# Altium PCB 4S SMART BMS İsmet Akalın.PcbDoc (part 2 of 2)
Units mm, origin at the board's own origin, x right, y up, seen from the top; angles counter-clockwise.
Board outline 88.9 x 58.42 mm, 4 copper layers (Top Layer, GND, PWR, Bottom Layer), stack 1.509 mm thick; 123 components, 76 nets, 450 pads, 260 vias.
Unrouted connection lines stored in the file: 5.
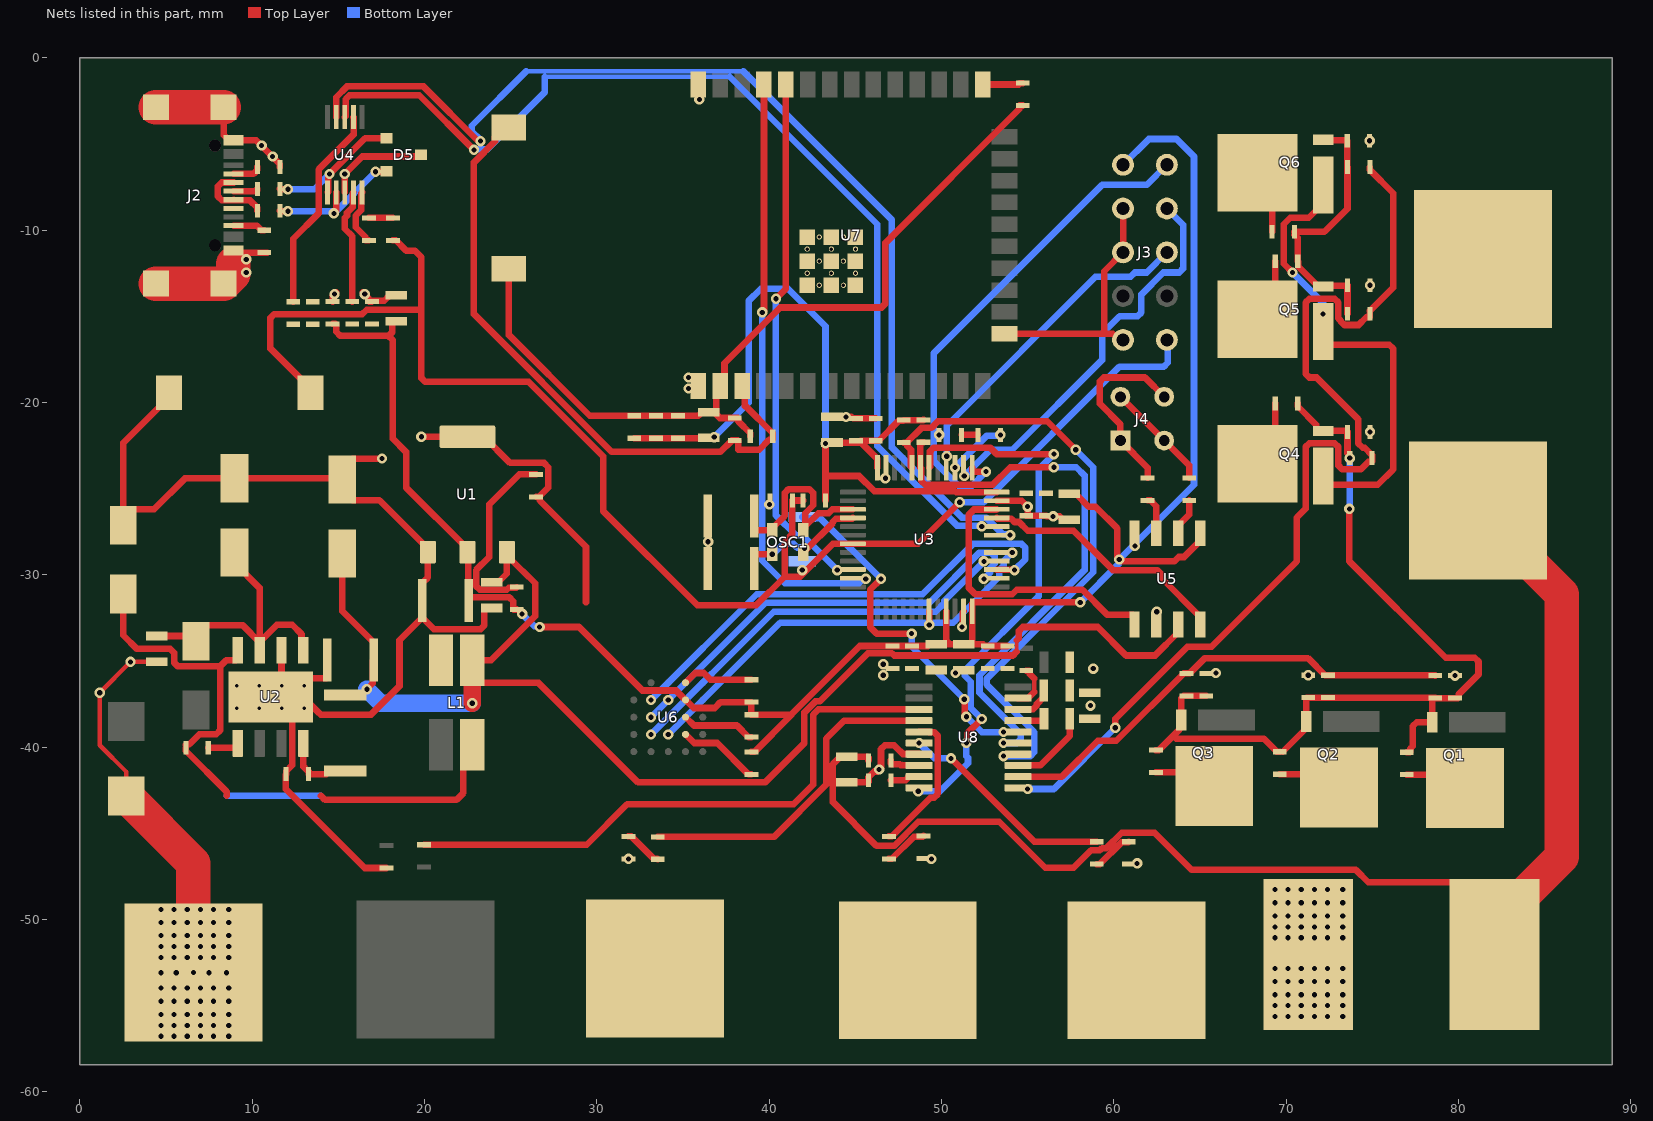
[diagram p4: the nets of this part, all layers, seen from the top]

## Via types
v1: diameter 0.6, hole 0.3, Top Layer to GND, 169 vias
v2: diameter 0.6, hole 0.3, Top Layer to Bottom Layer, 67 vias
v3: diameter 0.6, hole 0.3, Top Layer to PWR, 23 vias
v4: diameter 0.6, hole 0.3, GND to Bottom Layer, 1 vias

## Nets (pads, with @x,y where several pads share a name; then routed paths per layer and width w, separated by ;. In a path a pad name is that pad's centre, name@x,y a point inside that pad or via, vN(x,y) a via of type N, cw(c..) or ccw(c..) an arc to the next point about the centre after c; other vN are vias at no path point) (continued)
GND: BATS-1-MAIN.- C1.2 C2.2 C3.2 C4.2 C5.2 C7.2 C8.1 C9.1 C10.1 C11.2 C12.1 C13.1 C14.1 C15.2 C16.2 C17.1 C18.1 C19.1 C20.1 C21.1 C22.1 C23.2 C24.2 C31.1 C31.2 C32.2 C33.2 C34.2 C35.2 C36.1 C37.1 C38.1 C39.1 D1.1 D4.2 D5.3 D6.2 J2.A1_B12 J2.B1_A12 J2.SH1 J2.SH2 J2.SH3 J2.SH4 J3.3 J3.5 J3.9 NTC1.1 R2.1 R3.1 R8.1 R11.2 R14.2 R15.2 R24.2 R25.2 R35.2 R36.2 R37.2 R44.1 R45.1 R46.1 SW1.1 U1.1 U2.6 U3.19 U3.23 U3.35 U3.47 U4.3 U5.2 U5.8 U6.B3 U7.1 U7.15 U7.38 U7.39_1 U7.39_2 U7.39_3 U7.39_4 U7.39_5 U7.39_6 U7.39_7 U7.39_8 U7.39_9 U7.39_10 U7.39_11 U7.39_12 U7.39_13 U7.39_14 U7.39_15 U7.39_16 U7.39_17 U7.39_18 U7.39_19 U7.39_20 U7.39_21 U8.3 U8.17 | length 174.2
  Top Layer w0.254: D4.2@2.692,-42.83 2.692,-41.427 1.143,-39.878 v1(1.143,-36.83) v1(2.933,-35.04) C5.2@4.445,-35.04
  Top Layer w0.381: SW1.1@5.171,-19.431 5.171,-19.681 2.515,-22.337 D1.1@2.515,-27.108 2.515,-26.758 3.099,-26.174 4.306,-26.174 6.087,-24.393 C7.2@8.966,-24.393 15.155,-24.393 C1.2@15.215,-24.453 ; J2.SH1@8.337,-2.856 8.337,-4.476 8.637,-4.776 J2.A1_B12@8.912,-4.776 10.217,-4.776 11.597,-6.156 R8.1@11.597,-6.325 ; J2.B1_A12@9.304,-11.293 R11.2@10.693,-11.293 R11.2@10.862,-11.293 ; U2.6@11.694,-34.374 11.694,-36.439 U2.6@11.059,-37.074 12.319,-38.333 12.319,-41.03 11.963,-41.385 R2.1@11.963,-41.554 11.938,-41.58 11.938,-42.418 16.525,-47.005 C36.1@17.78,-47.005 ; C2.2@14.347,-34.925 14.347,-35.925 14.288,-35.985 13.448,-35.985 13.009,-36.424 13.009,-37.139 13.843,-37.973 13.97,-38.1 16.891,-38.1 18.542,-36.449 18.542,-33.788 C4.2@19.859,-32.471 ; C23.2@14.656,-14.133 14.656,-13.812 v1(14.767,-13.701) v1@14.879,-13.589 ; U4.3@15.367,-7.798 v1(15.367,-6.731) 16.383,-5.715 19.694,-5.715 D5.3@19.796,-5.613 ; v1@16.414,-13.589 v1(16.525,-13.701) 16.637,-13.812 16.637,-13.828 16.732,-13.923 16.732,-14.092 16.773,-14.133 R14.2@16.942,-14.133 16.982,-14.092 17.65,-14.092 17.964,-13.779 C24.2@18.339,-13.779 ; v1(17.526,-23.243) 15.824,-23.243 15.215,-23.853 C1.2@15.215,-24.453 ; v1(19.812,-21.979) U1.1@22.479,-21.979 23.444,-21.979 24.96,-23.495 26.924,-23.495 27.178,-23.749 27.178,-24.924 R3.1@26.636,-25.466 ; C3.2@23.901,-31.916 23.526,-31.916 23.467,-31.975 23.467,-32.921 23.241,-33.147 20.535,-33.147 C4.2@19.859,-32.471 ; R3.1@26.467,-25.466 R3.1@26.636,-25.466 ; 29.362,-31.583 29.362,-28.361 26.676,-25.675 26.676,-25.506 R3.1@26.636,-25.466 ; C8.1@43.637,-20.815 44.765,-20.815 44.865,-20.915 C9.1@45.034,-20.915 C10.1@46.177,-20.915 ; C33.2@44.501,-42.037 45.715,-42.037 45.756,-41.996 R24.2@45.756,-41.91 45.756,-41.741 46.095,-41.402 46.259,-41.402 46.482,-41.179 46.482,-40.101 46.705,-39.878 47.244,-39.878 47.371,-40.005 47.752,-40.386 48.677,-40.386 U8.17@48.692,-40.401 ; U3.19@49.272,-32.11 49.274,-32.112 49.274,-32.891 v1(49.276,-32.893) ; v1(51.181,-33.02) 51.223,-32.978 51.223,-32.159 U3.23@51.272,-32.11 ; U3.35@53.192,-25.69 54.646,-25.69 v1(54.991,-26.035) 54.991,-26.517 54.95,-26.558 C12.1@54.915,-26.558 C13.1@56.058,-26.558 56.098,-26.598 56.842,-26.598 57.029,-26.785 C14.1@57.404,-26.785 ; U7.15@53.641,-16.004 59.436,-16.004 ; U8.3@54.432,-41.051 55.723,-41.051 57.443,-39.331 C32.2@57.443,-38.354 ; J3.9@60.528,-16.358 60.288,-16.358 59.934,-16.004 59.436,-16.004 ; J3.3@60.528,-8.738 J3.5@60.528,-11.278 59.436,-12.37 59.436,-16.004 ; C1.2@15.215,-24.453 15.215,-25.053 15.824,-25.662 17.372,-25.662 20.189,-28.479 U1.1@20.189,-28.669 20.189,-30.141 19.859,-30.471 C4.2@19.859,-31.471 C4.2@19.859,-32.471
  Top Layer w2: D4.2@2.692,-42.83 2.692,-42.91 2.752,-42.97 2.832,-42.97 6.579,-46.717 v1(6.579,-53.061) ; J2.SH4@4.407,-13.096 J2.SH2@8.337,-13.096 8.89,-12.543 8.89,-11.938 ; J2.SH3@4.407,-2.856 J2.SH1@8.337,-2.856
  other v1: 4.699,-56.769 5.461,-56.769 6.223,-56.769 6.985,-56.769 7.747,-56.769 8.636,-56.769 4.699,-56.134 5.461,-56.134 6.223,-56.134 6.985,-56.134 7.747,-56.134 8.636,-56.134 69.342,-55.626 70.104,-55.626 70.866,-55.626 71.628,-55.626 72.39,-55.626 73.279,-55.626 4.699,-55.499 5.461,-55.499 6.223,-55.499 6.985,-55.499 7.747,-55.499 8.636,-55.499 69.342,-54.991 70.104,-54.991 70.866,-54.991 71.628,-54.991 72.39,-54.991 73.279,-54.991 4.699,-54.737 5.461,-54.737 6.223,-54.737 6.985,-54.737 7.747,-54.737 8.636,-54.737 69.342,-54.356 70.104,-54.356 70.866,-54.356 71.628,-54.356 72.39,-54.356 73.279,-54.356 4.699,-53.975 5.461,-53.975 6.223,-53.975 6.985,-53.975 7.747,-53.975 8.636,-53.975 69.342,-53.594 70.104,-53.594 70.866,-53.594 71.628,-53.594 72.39,-53.594 73.279,-53.594 4.699,-53.086 5.588,-53.086 7.493,-53.086 8.509,-53.086 69.342,-52.832 70.104,-52.832 70.866,-52.832 71.628,-52.832 72.39,-52.832 73.279,-52.832 4.699,-52.197 5.461,-52.197 6.223,-52.197 6.985,-52.197 7.747,-52.197 8.636,-52.197 4.699,-51.562 5.461,-51.562 6.223,-51.562 6.985,-51.562 7.747,-51.562 8.636,-51.562 69.342,-51.054 70.104,-51.054 70.866,-51.054 71.628,-51.054 72.39,-51.054 73.279,-51.054 4.699,-50.927 5.461,-50.927 6.223,-50.927 6.985,-50.927 7.747,-50.927 8.636,-50.927 69.342,-50.419 70.104,-50.419 70.866,-50.419 71.628,-50.419 72.39,-50.419 73.279,-50.419 4.699,-50.165 5.461,-50.165 6.223,-50.165 6.985,-50.165 7.747,-50.165 8.636,-50.165 69.342,-49.784 70.104,-49.784 70.866,-49.784 71.628,-49.784 72.39,-49.784 73.279,-49.784 4.699,-49.403 5.461,-49.403 6.223,-49.403 6.985,-49.403 7.747,-49.403 8.636,-49.403 69.342,-49.022 70.104,-49.022 70.866,-49.022 71.628,-49.022 72.39,-49.022 73.279,-49.022 69.342,-48.26 70.104,-48.26 70.866,-48.26 71.628,-48.26 72.39,-48.26 73.279,-48.26 61.341,-46.736 31.826,-46.472 49.403,-46.482 46.37,-41.29 58.641,-37.58 34.138,-37.252 79.786,-35.841 46.609,-35.814 71.277,-35.816 50.8,-35.687 65.913,-35.687 58.801,-35.433 46.609,-35.179 62.484,-32.131 61.214,-28.321 36.449,-28.067 56.47,-26.598 40.005,-25.908 46.736,-24.384 49.856,-21.869 74.852,-21.696 44.45,-20.828 35.306,-19.177 35.306,-18.542 74.852,-13.187 9.652,-12.446 9.652,-11.684 11.176,-5.715 10.541,-5.08 74.837,-4.805 35.941,-2.413
  other v4: 41.91,-29.718
NetBATS+1_+: BATS+1.+ C39.2 R31.1 | length 2.4
  Top Layer w0.381: R31.1@59.004,-46.776 59.173,-46.776 60.433,-45.517 60.818,-45.517 C39.2@60.858,-45.476
NetBATS+2_+: BATS+2.+ C38.2 R30.1 | length 2.6
  Top Layer w0.381: R30.1@46.939,-46.472 47.108,-46.472 48.393,-45.187 48.905,-45.187 C38.2@48.946,-45.146
NetBATS+3_+: BATS+3.+ C37.2 R29.1 | length 2.3
  Top Layer w0.381: C37.2@31.826,-45.172 31.995,-45.172 33.28,-46.456 33.487,-46.456 R29.1@33.528,-46.497
"NetBATS+ LOAD_+": "BATS+ LOAD.+" Q4.DRAIN Q5.DRAIN Q6.DRAIN | length 26.4
  Top Layer w0.381: v2(70.358,-12.446) 69.85,-11.938 69.85,-9.652 70.231,-9.271 71.3,-9.271 72.151,-8.42 Q6.DRAIN@72.151,-7.37 ; Q4.DRAIN@72.151,-24.261 72.151,-24.355 72.561,-24.765 75.311,-24.765 76.2,-23.876 76.2,-16.86 75.977,-16.637 72.561,-16.637 72.151,-16.227 Q5.DRAIN@72.151,-15.879
  Bottom Layer w0.381: v2(70.358,-12.446) 72.136,-14.224 v2(72.136,-14.859)
"NetBATS- LOAD_-": "BATS- LOAD.-" C33.1 R25.1 R26.2 | length 78.2
  Top Layer w0.381: R26.2@45.756,-40.767 45.756,-40.598 45.695,-40.537 C33.1@44.501,-40.537 44.126,-40.537 43.688,-40.975 43.688,-43.18 46.228,-45.72 47.244,-45.72 48.641,-44.323 53.34,-44.323 56.007,-46.99 57.658,-46.99 58.674,-45.974 59.182,-45.974 59.309,-45.847 59.563,-45.847 60.452,-44.958 62.357,-44.958 62.484,-45.085 64.516,-47.117 74.041,-47.117 74.759,-47.835 79.673,-47.835 82.083,-50.244 R25.1@82.083,-52.019
  Top Layer w2: 81.128,-26.264 85.979,-31.115 85.979,-46.348 R25.1@82.083,-50.244
NetC4_1: C4.1 C8.2 C9.2 C10.2 C12.2 C13.2 C14.2 C17.2 C18.2 C19.2 C20.2 C21.2 C22.2 C23.1 C24.1 C27.2 C28.2 C29.2 C30.2 D3.2 J3.1 R4.2 R5.2 R6.1 R10.2 R15.1 R19.1 R22.1 R23.1 U1.2 U3.21 U3.24 U3.36 U3.48 U5.5 U6.B4 | length 163.6
  Top Layer w0.381: C23.1@14.656,-15.433 14.825,-15.433 14.865,-15.473 14.865,-15.881 15.113,-16.129 17.907,-16.129 ; C24.1@18.339,-15.279 18.19,-15.279 18.13,-15.338 18.13,-15.906 17.907,-16.129 ; C4.1@22.559,-31.471 22.519,-31.431 22.519,-28.709 U1.2@22.479,-28.669 22.479,-28.479 18.923,-24.923 18.923,-22.86 18.161,-22.098 18.161,-16.383 17.907,-16.129 ; C4.1@22.559,-31.301 24.917,-31.301 25.14,-31.525 25.14,-31.963 25.18,-32.004 D3.2@25.349,-32.004 ; v2(26.67,-33.02) 28.956,-33.02 32.639,-36.703 34.588,-36.703 U6.B4@35.138,-37.252 35.145,-37.252 35.612,-37.719 36.83,-37.719 37.171,-37.378 R19.1@38.964,-37.378 R22.1@38.964,-38.11 41.265,-38.11 ; C30.2@32.156,-22.062 C29.2@33.426,-22.062 C28.2@34.696,-22.062 34.704,-22.055 36.467,-22.055 C27.2@36.474,-22.047 ; R23.1@38.964,-40.269 39.133,-40.269 41.265,-38.137 41.265,-38.11 ; R6.1@43.261,-25.679 43.261,-24.257 ; v2(43.261,-22.374) 43.261,-24.257 ; C8.2@43.637,-22.315 45.321,-22.315 46.272,-23.266 U3.48@46.272,-23.77 ; C9.2@45.321,-22.215 C10.2@46.177,-22.215 46.346,-22.215 47.504,-21.057 47.762,-21.057 R4.2@47.803,-21.016 47.81,-21.009 48.938,-21.009 R5.2@48.946,-21.001 ; U3.21@50.272,-32.11 50.272,-33.806 50.482,-34.017 ; C22.2@51.283,-34.023 51.277,-34.017 50.482,-34.017 ; U3.36@53.192,-25.19 50.844,-25.19 50.8,-25.146 46.101,-25.146 45.212,-24.257 43.261,-24.257 ; C18.2@53.823,-34.123 C20.2@52.68,-34.123 52.511,-34.123 52.411,-34.023 51.847,-34.023 51.772,-33.948 U3.24@51.772,-32.11 51.772,-31.641 51.822,-31.591 v2(58.041,-31.591) ; C14.2@57.404,-25.285 57.779,-25.285 58.529,-26.035 58.928,-26.035 60.198,-27.305 60.198,-28.987 60.421,-29.21 63.5,-29.21 63.754,-28.956 64.069,-28.956 64.999,-28.026 U5.5@64.999,-27.576 ; 41.265,-38.11 45.252,-34.123 C17.2@47.142,-34.123 C19.2@48.285,-34.123 49.195,-34.123 49.307,-34.011 C21.2@49.682,-34.011 49.688,-34.017 50.482,-34.017
  Bottom Layer w0.381: v2(25.654,-32.258) 26.374,-32.978 26.628,-32.978 v2(26.67,-33.02) ; v2(36.8,-22) 38.8,-20 38.8,-14.1 39.5,-13.4 41.1,-13.4 43.261,-15.561 v2(43.261,-22.374) ; v2(58.041,-31.591) 60.268,-29.363 60.268,-29.14 v2(60.31,-29.098) 64.643,-24.765 64.643,-5.715 63.627,-4.699 62.027,-4.699 J3.1@60.528,-6.198
NetC5_1: C5.1 C7.1 D2.2 U2.5 U2.7 | length 17.5
  Top Layer w0.381: C5.1@4.445,-33.54 6.432,-33.54 D2.2@6.731,-33.839 6.731,-33.489 7.315,-32.905 9.431,-32.905 U2.7@10.424,-33.899 ; C7.1@8.966,-28.693 8.966,-29.293 10.424,-30.751 U2.7@10.424,-33.899 ; U2.7@10.424,-34.374 U2.7@10.424,-33.899 ; U2.5@12.964,-34.374 12.855,-34.264 12.855,-33.429 12.319,-32.893 11.43,-32.893 U2.7@10.424,-33.899
NetC6_1: C6.1 D1.2 L1.2 U2.8 | length 37.6
  Top Layer w0.381: D1.2@2.515,-31.108 2.515,-33.503 3.302,-34.29 5.238,-34.29 5.461,-34.513 5.461,-35.083 5.684,-35.306 8.128,-35.306 ; C6.1@6.142,-40.03 6.142,-40.199 8.509,-42.566 8.509,-42.799 ; C6.1@6.142,-39.861 6.183,-39.821 6.352,-39.821 6.93,-39.243 7.905,-39.243 8.128,-39.02 8.128,-35.306 ; U2.8@9.154,-34.374 9.154,-34.849 9.045,-34.958 8.476,-34.958 8.128,-35.306 ; 13.97,-42.799 14.224,-43.053 21.844,-43.053 22.249,-42.648 22.249,-40.36 L1.2@22.758,-39.85
  Bottom Layer w0.381: 8.509,-42.799 13.97,-42.799
NetC6_2: C6.2 U2.1 | length 1.9
  Top Layer w0.381: C6.2@7.442,-40.03 9.045,-40.03 9.154,-39.921 U2.1@9.154,-39.774
NetC11_1: C11.1 OSC1.2 U3.3 | length 12
  Top Layer w0.381: C11.1@39.12,-26.568 39.12,-27.333 39.179,-27.392 OSC1.2@40.172,-27.392 40.172,-27.292 40.894,-26.57 40.894,-25.242 41.117,-25.019 42.322,-25.019 42.545,-25.242 42.545,-25.957 42.081,-26.421 42.081,-27.283 OSC1.2@41.972,-27.392 41.972,-27.292 42.848,-26.416 43.434,-26.416 43.66,-26.19 U3.3@44.852,-26.19
NetC15_1: C15.1 OSC1.1 U3.4 | length 7.6
  Top Layer w0.381: C15.1@39.12,-29.616 39.12,-28.852 39.179,-28.792 v2(40.172,-28.792) ; OSC1.1@42.127,-28.538 43.688,-26.976 43.688,-26.913 43.861,-26.741 44.802,-26.741 U3.4@44.852,-26.69
  Bottom Layer w0.381: v2(40.172,-28.792) 40.207,-28.792 40.806,-28.194 41.402,-28.194 41.614,-28.406 41.995,-28.406 v2(42.037,-28.448)
NetC16_1: C16.1 C25.1 J3.10 R6.2 SW1.2 U3.7 | length 86.4
  Top Layer w0.381: SW1.2@13.371,-19.431 13.371,-19.181 11.049,-16.859 11.049,-15.082 11.272,-14.859 16.383,-14.859 16.637,-14.605 19.812,-14.605 ; C25.1@18.161,-10.581 18.33,-10.581 18.925,-11.176 19.431,-11.176 19.812,-11.557 19.812,-14.605 ; R6.2@41.961,-25.679 C16.1@41.341,-25.679 41.341,-27.62 40.894,-28.067 40.894,-30.099 ; v2(51.054,-25.781) 48.645,-28.19 U3.7@44.852,-28.19 43.692,-28.19 41.783,-30.099 40.894,-30.099 ; 19.812,-14.605 19.812,-18.573 20.035,-18.796 26.035,-18.796 30.353,-23.114 30.353,-26.289 35.814,-31.75 39.243,-31.75 40.894,-30.099
  Bottom Layer w0.381: v2(51.054,-25.781) 52.451,-25.781 60.325,-17.907 62.896,-17.907 63.119,-17.684 63.119,-16.408 J3.10@63.068,-16.358
NetC25_2: C25.2 R12.2 | length 1.4
  Top Layer w0.381: R12.2@16.764,-9.281 C25.2@18.161,-9.281
NetC26_1: C26.1 R20.1 SW2.1 U7.3 | length 37.2
  Top Layer w0.381: SW2.1@24.892,-4.028 24.642,-4.028 24.082,-4.588 24.082,-4.838 22.86,-6.06 22.86,-14.859 30.861,-22.86 37.159,-22.86 37.829,-22.189 C26.1@37.998,-22.189 ; C26.1@38.156,-22.189 38.196,-22.23 38.196,-22.733 39.41,-22.733 39.988,-22.155 40.157,-22.155 40.198,-22.115 R20.1@40.198,-21.946 40.198,-21.777 38.614,-20.193 38.577,-20.193 38.577,-19.195 U7.3@38.421,-19.039
NetC26_2: C26.2 C27.1 C28.1 C29.1 C30.1 R20.2 R21.2 SW2.2 U7.2 | length 49
  Top Layer w0.381: SW2.2@24.892,-12.228 24.892,-16.074 29.581,-20.762 C30.1@32.156,-20.762 C29.1@33.426,-20.762 C28.1@34.696,-20.762 35.884,-20.762 36.099,-20.547 C27.1@36.474,-20.547 ; R20.2@38.898,-21.946 38.898,-21.777 38.208,-21.087 38.208,-20.93 38.167,-20.889 C26.2@37.998,-20.889 37.132,-20.889 36.909,-20.666 36.909,-20.607 36.849,-20.547 36.909,-20.488 36.909,-19.28 U7.2@37.151,-19.039 37.401,-18.788 37.401,-17.717 40.64,-14.478 46.513,-14.478 46.736,-14.255 46.736,-10.734 54.502,-2.968 54.502,-2.799 54.543,-2.758 R21.2@54.712,-2.758
NetC32_1: C32.1 U8.7 | length 1.6
  Top Layer w0.381: U8.7@54.432,-38.451 55.883,-38.451 55.943,-38.392 C32.1@55.943,-38.354
NetC34_1: C34.1 U8.8 | length 2.2
  Top Layer w0.381: U8.8@54.432,-37.801 54.446,-37.786 55.305,-37.786 55.528,-37.563 55.528,-37.481 55.931,-37.078 C34.1@55.931,-36.703
NetD3_1: D3.1 R3.2 | length 11
  Top Layer w0.381: D3.1@25.349,-30.704 25.309,-30.745 24.881,-30.745 24.765,-30.861 23.21,-30.861 22.987,-30.638 22.987,-29.718 23.749,-28.956 23.749,-25.908 25.491,-24.166 R3.2@26.467,-24.166
NetD5_1: D5.1 R7.2 U4.1 | length 8.5
  Top Layer w0.381: R7.2@11.597,-7.595 11.623,-7.62 v2(12.065,-7.62) ; U4.1@14.366,-7.798 14.417,-7.747 14.417,-6.851 14.478,-6.79 v2(14.478,-6.731) 16.546,-4.663 D5.1@17.796,-4.663
  Bottom Layer w0.381: v2(12.065,-7.62) 13.589,-7.62 v2(14.478,-6.731)
NetD5_2: D5.2 R9.2 U4.2 | length 8.6
  Top Layer w0.381: R9.2@11.597,-8.865 11.623,-8.89 v2(12.065,-8.89) ; v2(14.732,-9.017) 14.867,-8.882 U4.2@14.867,-7.798 ; v2(17.145,-6.604) 17.755,-6.604 D5.2@17.796,-6.563
  Bottom Layer w0.381: v2(12.065,-8.89) 14.546,-8.89 14.673,-9.017 v2(14.732,-9.017) v2(17.145,-6.604)
NetD6_1: D6.1 R16.2 | length 1
  Top Layer w0.381: D6.1@51.156,-21.869 R16.2@52.106,-21.869
NetJ2_A5: J2.A5 R8.2 | length 1.7
  Top Layer w0.381: J2.A5@8.912,-6.726 10.065,-6.726 10.297,-6.494 R8.2@10.297,-6.325
NetJ2_A6: J2.A6 J2.B6 R7.1 | length 1.5
  Top Layer w0.381: J2.A6@8.912,-7.726 10.257,-7.726 10.297,-7.685 R7.1@10.297,-7.595
NetJ2_A7: J2.A7 J2.B7 R9.1 | length 4.4
  Top Layer w0.381: J2.B7@8.912,-7.226 8.224,-7.226 8.001,-7.449 8.001,-8.032 8.224,-8.255 8.883,-8.255 J2.A7@8.912,-8.226 8.953,-8.266 9.868,-8.266 10.297,-8.696 R9.1@10.297,-8.865
NetJ2_B5: J2.B5 R11.1 | length 1.9
  Top Layer w0.381: J2.B5@8.912,-9.726 10.257,-9.726 10.524,-9.993 R11.1@10.693,-9.993
NetJ3_2: J3.2 U3.37 | length 29.4
  Top Layer w0.381: U3.37@51.772,-23.77 51.772,-23.952 51.822,-24.003 v2(52.578,-24.003)
  Bottom Layer w0.381: v2(52.578,-24.003) 51.689,-24.892 51.054,-24.892 49.53,-23.368 49.53,-17.145 59.309,-7.366 61.9,-7.366 J3.2@63.068,-6.198
NetJ3_4: J3.4 U3.38 | length 23.1
  Bottom Layer w0.381: v2(51.308,-24.257) 52.832,-22.733 54.102,-22.733 59.309,-17.526 59.309,-16.002 60.325,-14.986 61.372,-14.986 61.595,-14.763 61.595,-13.716 62.865,-12.446 63.785,-12.446 64.008,-12.223 64.008,-9.677 J3.4@63.068,-8.738
NetJ3_6: J3.6 U3.40 | length 18.7
  Bottom Layer w0.381: v2(50.292,-23.114) 50.292,-21.336 58.928,-12.7 60.96,-12.7 61.214,-12.446 61.9,-12.446 J3.6@63.068,-11.278
NetJ4_01: J4.01 J4.04 R17.2 | length 11
  Top Layer w0.381: R17.2@61.951,-24.369 61.951,-23.774 J4.01@60.376,-22.2 60.376,-21.26 59.182,-20.066 59.182,-18.765 59.405,-18.542 61.798,-18.542 J4.04@62.916,-19.66
NetJ4_02: J4.02 J4.03 R18.2 | length 6.4
  Top Layer w0.381: J4.02@60.376,-19.66 J4.03@62.916,-22.2 64.364,-23.647 R18.2@64.364,-24.369
NetL1_3: L1.3
NetNTC1_2: NTC1.2 U8.6 | length 20.3
  Top Layer w0.381: v2(46.482,-30.226) 45.847,-30.861 45.847,-33.02 46.228,-33.401 v2(48.26,-33.401) ; v2(51.308,-37.211) 51.35,-37.253 51.35,-38.082 51.435,-38.168 v2(51.435,-38.227)
  Bottom Layer w0.381: NTC1.2@41.91,-26.635 41.993,-26.718 42.974,-26.718 v2@46.524,-30.268 ; v2(48.26,-33.401) 48.26,-34.163 v2(51.308,-37.211) ; v2(51.435,-38.227) 52.324,-39.116 v2@53.467,-39.116
  other v2: 53.594,-39.116
NetQ1_SOURCE: Q1.SOURCE R32.2 | length 3.7
  Top Layer w0.381: R32.2@76.992,-41.586 79.585,-41.586 Q1.SOURCE@80.366,-42.367
NetQ2_SOURCE: Q2.SOURCE R33.2 | length 3.7
  Top Layer w0.381: R33.2@69.626,-41.561 72.293,-41.561 Q2.SOURCE@73.055,-42.323
NetQ3_SOURCE: Q3.SOURCE R34.2 | length 3.7
  Top Layer w0.381: R34.2@62.437,-41.459 65.03,-41.459 Q3.SOURCE@65.811,-42.24
NetQ4_SOURCE: Q4.SOURCE R47.1 | length 3.9
  Top Layer w0.381: Q4.SOURCE@68.326,-23.546 69.361,-22.511 R47.1@69.361,-20.045
NetQ5_SOURCE: Q5.SOURCE R48.1 | length 3.8
  Top Layer w0.381: Q5.SOURCE@68.326,-15.164 69.361,-14.129 R48.1@69.361,-11.79
NetQ6_SOURCE: Q6.SOURCE R49.1 | length 3.8
  Top Layer w0.381: Q6.SOURCE@68.326,-6.655 69.175,-7.503 R49.1@69.175,-10.084
NetR1_1: R1.1 R2.2 U2.4 | length 4.1
  Top Layer w0.381: U2.4@12.964,-39.774 12.964,-41.12 13.189,-41.345 13.223,-41.345 13.263,-41.385 R2.2@13.263,-41.554 14.29,-41.554 14.482,-41.362 R1.1@15.392,-41.362
NetR4_1: R4.1 U3.44 U8.4 | length 36.3
  Top Layer w0.381: R4.1@47.803,-22.316 R4.1@47.972,-22.316 ; U3.44@48.272,-23.77 48.221,-23.72 48.221,-22.735 48.012,-22.526 48.012,-22.357 R4.1@47.972,-22.316 ; v2(57.785,-22.733) 56.134,-21.082 49.784,-21.082 49.403,-21.463 48.825,-21.463 R4.1@47.972,-22.316
  Bottom Layer w0.381: v2(53.594,-40.513) 55.149,-40.513 55.372,-40.29 55.372,-39.116 52.609,-36.353 52.609,-36.037 58.801,-29.845 58.801,-23.749 v2(57.785,-22.733)
NetR5_1: R5.1 U3.43 U8.5 | length 32.5
  Top Layer w0.381: R5.1@48.946,-22.301 48.809,-22.301 48.768,-22.342 48.768,-23.766 U3.43@48.772,-23.77 48.823,-23.821 48.823,-24.542 49.046,-24.765 52.959,-24.765 53.975,-23.749 v2(56.515,-23.749)
  Bottom Layer w0.381: v2(53.594,-39.751) 54.356,-39.751 54.579,-39.528 54.579,-39.212 52.197,-36.83 52.197,-35.814 58.293,-29.718 58.293,-24.226 57.816,-23.749 v2(56.515,-23.749)
NetR10_1: R10.1 U4.7 | length 12.2
  Top Layer w0.381: R10.1@12.37,-14.148 12.37,-10.49 13.843,-9.017 13.843,-6.477 15.875,-4.445 15.875,-3.437 U4.7@15.867,-3.429
NetR12_1: R12.1 U4.5 | length 3.3
  Top Layer w0.381: U4.5@16.368,-7.798 16.317,-7.849 16.317,-8.829 16.002,-9.144 16.002,-9.819 16.554,-10.372 16.554,-10.541 16.595,-10.581 R12.1@16.764,-10.581
NetR13_1: R13.1 U4.4 | length 6.7
  Top Layer w0.381: R13.1@15.799,-14.133 15.799,-10.338 15.367,-9.906 15.367,-9.271 15.494,-9.144 15.494,-8.986 15.817,-8.664 15.817,-7.849 U4.4@15.867,-7.798
NetR13_2: R13.2 R14.1
NetR16_1: R16.1 U3.39 | length 3.4
  Bottom Layer w0.381: v2(50.772,-23.77) 52.631,-21.911 53.364,-21.911 v2(53.406,-21.869)
NetR17_1: R17.1 U5.7 | length 2.2
  Top Layer w0.381: R17.1@61.951,-25.669 62.12,-25.669 62.459,-26.008 U5.7@62.459,-27.576
NetR18_1: R18.1 U5.6 | length 2.2
  Top Layer w0.381: U5.6@63.729,-27.576 63.729,-27.126 64.364,-26.491 R18.1@64.364,-25.669
NetR19_2: R19.2 U6.A4 | length 4.2
  Top Layer w0.381: U6.A4@35.138,-36.252 35.703,-35.687 36.195,-35.687 36.586,-36.078 R19.2@38.964,-36.078
NetR21_1: R21.1 U7.25 | length 2.4
  Top Layer w0.381: U7.25@52.391,-1.539 54.462,-1.539 54.543,-1.458 R21.1@54.712,-1.458
NetR22_2: R22.2 U6.C4 | length 4.3
  Top Layer w0.381: U6.C4@35.138,-38.252 35.145,-38.252 35.628,-38.735 38.119,-38.735 38.795,-39.41 R22.2@38.964,-39.41
NetR23_2: R23.2 U6.D4 | length 4.8
  Top Layer w0.381: U6.D4@35.138,-39.252 35.145,-39.252 35.644,-39.751 36.976,-39.751 38.795,-41.569 R23.2@38.964,-41.569
NetR24_1: R24.1 U8.19 | length 1.7
  Top Layer w0.381: R24.1@47.056,-41.91 47.903,-41.91 48.112,-41.701 U8.19@48.692,-41.701
NetR26_1: R26.1 U8.18 | length 1.9
  Top Layer w0.381: R26.1@47.056,-40.767 47.056,-40.936 47.096,-40.977 47.581,-40.977 47.64,-41.036 48.677,-41.036 U8.18@48.692,-41.051
NetR27_2: R27.2 U8.9 | length 2.6
  Top Layer w0.254: 55.372,-36.791 55.372,-36.007
  Top Layer w0.381: U8.9@54.432,-37.151 55.012,-37.151 55.372,-36.791 ; R27.2@54.915,-35.55 55.084,-35.55 55.124,-35.59 55.124,-35.759 55.372,-36.007
NetR28_2: R28.2 U8.13 | length 34.4
  Top Layer w0.381: R28.2@19.964,-45.654 29.403,-45.654 31.75,-43.307 41.402,-43.307 42.545,-42.164 42.545,-38.1 42.844,-37.801 U8.13@48.692,-37.801
NetR29_2: R29.2 U8.14 | length 19.5
  Top Layer w0.381: R29.2@33.528,-45.197 40.274,-45.197 43.307,-42.164 43.307,-39.497 44.353,-38.451 U8.14@48.692,-38.451
NetR30_2: R30.2 U8.15 | length 8.4
  Top Layer w0.381: R30.2@46.939,-45.172 47.108,-45.172 49.354,-42.926 49.561,-42.926 49.784,-42.703 49.784,-39.339 49.561,-39.116 49.287,-39.116 49.272,-39.101 U8.15@48.692,-39.101
NetR31_2: R31.2 U8.16 | length 12.7
  Top Layer w0.381: v2(50.546,-40.64) 55.382,-45.476 R31.2@59.004,-45.476
  Bottom Layer w0.381: v2(48.692,-39.751) 49.581,-40.64 v2(50.546,-40.64)
NetR38_1: R38.1 R39.1 R40.1 U8.2 | length 27.3
  Top Layer w0.381: U8.2@54.432,-41.701 56.978,-41.701 59.055,-39.624 60.137,-39.624 64.046,-35.714 R39.1@64.215,-35.714 ; R39.1@64.384,-35.714 65.278,-34.821 71.255,-34.821 72.263,-35.829 78.63,-35.829 R38.1@78.643,-35.841
NetR41_2: R41.2 R42.2 R43.2 U8.1 | length 59.6
  Top Layer w0.381: v2(60.071,-38.862) 60.071,-38.354 64.262,-34.163 65.659,-34.163 70.612,-29.21 70.612,-26.67 71.12,-26.162 71.12,-22.575 71.343,-22.352 72.802,-22.352 73.025,-22.575 73.025,-23.653 73.248,-23.876 74.323,-23.876 74.769,-23.429 74.939,-23.429 74.979,-23.389 R42.2@74.979,-23.22 74.979,-23.051 74.55,-22.621 74.437,-22.621 74.168,-22.352 74.168,-20.955 71.755,-18.542 71.343,-18.542 71.12,-18.319 71.12,-14.193 71.343,-13.97 72.802,-13.97 73.025,-14.193 73.025,-15.113 73.152,-15.24 73.152,-15.271 73.375,-15.494 74.196,-15.494 74.642,-15.047 74.812,-15.047 74.852,-15.007 R43.2@74.852,-14.838 ; R43.2@74.852,-14.669 76.2,-13.321 76.2,-7.846 74.852,-6.498 R41.2@74.852,-6.329
  Bottom Layer w0.381: v2(54.991,-42.418) 56.515,-42.418 v2(60.071,-38.862)
NetU3_10: U3.10 U7.34 | length 30.1
  Top Layer w0.381: v2(40.386,-13.97) 40.961,-13.395 U7.34@40.961,-1.539
  Bottom Layer w0.381: v2(40.386,-13.97) 40.386,-26.543 41.529,-27.686 41.91,-27.686 v2(43.942,-29.718)
NetU3_11: U3.11 U7.35 | length 34.2
  Top Layer w0.381: v2@39.691,-14.665 U7.35@39.691,-1.539
  Bottom Layer w0.381: v2(39.594,-14.762) 39.594,-29.18 40.894,-30.48 45.212,-30.48 45.424,-30.268 45.551,-30.268 v2(45.593,-30.226)
NetU3_26: U3.26 U6.C2 | length 25.6
  Bottom Layer w0.381: v2(33.138,-38.252) 39.767,-31.623 49.276,-31.623 52.197,-28.702 52.863,-28.702 53.086,-28.925 53.086,-29.337 52.832,-29.591 52.832,-29.845 v2(52.451,-30.226)
NetU3_27: U3.27 U6.B2 | length 28.2
  Top Layer w0.381: U3.27@53.192,-29.69 53.206,-29.704 54.215,-29.704 v2(54.229,-29.718)
  Bottom Layer w0.381: v2(33.138,-37.252) 39.275,-31.115 48.895,-31.115 51.816,-28.194 54.641,-28.194 54.864,-28.417 54.864,-29.083 v2(54.229,-29.718)
NetU3_28: U3.28 U6.D2 | length 23.5
  Bottom Layer w0.381: v2(33.138,-39.252) 40.259,-32.131 49.657,-32.131 50.165,-31.623 50.165,-31.496 v2(52.451,-29.21)
NetU3_29: U3.29 U6.D3 | length 24.7
  Bottom Layer w0.381: v2(34.138,-39.252) 40.624,-32.766 50.673,-32.766 53.34,-30.099 53.34,-29.718 53.594,-29.464 53.594,-29.21 v2(54.102,-28.702)
NetU3_31: U3.31 U4.9 | length 63.6
  Top Layer w0.381: U4.9@14.867,-3.429 14.867,-2.278 15.494,-1.651 19.939,-1.651 23.114,-4.826 v2(23.241,-4.826)
  Bottom Layer w0.254: 25.908,-0.762 38.477,-0.762
  Bottom Layer w0.381: v2(23.241,-4.826) 23.241,-4.767 22.733,-4.259 22.733,-3.937 25.908,-0.762 ; 38.477,-0.762 47.117,-9.402 47.117,-22.606 51.181,-26.67 52.578,-26.67 53.552,-27.644 53.933,-27.644 v2(53.975,-27.686)
NetU3_32: U3.32 U4.8 | length 60
  Top Layer w0.381: U4.8@15.367,-3.429 15.418,-3.378 15.418,-2.382 15.641,-2.159 19.685,-2.159 v2(22.86,-5.334)
  Bottom Layer w0.254: 26.979,-1.088 37.707,-1.088
  Bottom Layer w0.381: v2(22.86,-5.334) 22.902,-5.292 23.664,-5.292 26.979,-1.977 26.979,-1.088 ; 37.707,-1.088 46.267,-9.648 46.267,-22.518 50.885,-27.136 52.282,-27.136 v2(52.324,-27.178)
NetU3_33: U3.33 U5.4 | length 14.8
  Top Layer w0.381: U3.33@53.192,-26.69 53.242,-26.741 54.046,-26.741 54.229,-26.924 54.483,-26.924 54.991,-27.432 57.658,-27.432 59.944,-29.718 62.515,-29.718 62.738,-29.941 62.738,-30.165 64.999,-32.426 U5.4@64.999,-32.876
NetU3_34: U3.34 U5.1 | length 17
  Top Layer w0.381: U3.34@53.192,-26.19 53.183,-26.199 51.875,-26.199 51.562,-26.512 51.562,-30.734 51.816,-30.988 51.943,-31.115 54.102,-31.115 54.356,-30.861 58.166,-30.861 59.621,-32.316 61.079,-32.316 61.189,-32.426 U5.1@61.189,-32.876
NetU3_42: U3.42 U8.20 | length 32.9
  Top Layer w0.381: U3.42@49.272,-23.77 49.322,-23.72 49.322,-22.829 49.546,-22.606 52.81,-22.606 53.191,-22.987 v2(56.515,-22.987) ; v2(51.435,-39.751) 51.477,-39.709 51.477,-39.201 v2(52.324,-38.354)
  Bottom Layer w0.381: v2(48.641,-42.545) 49.911,-42.545 51.531,-40.925 51.531,-40.609 51.435,-40.513 v2(51.435,-39.751) ; v2(52.324,-38.354) 51.689,-37.719 51.689,-36.195 51.339,-35.845 51.339,-35.529 55.626,-31.242 55.626,-23.876 v2(56.515,-22.987)
S_COMMON: Q1.GATE Q2.GATE Q3.GATE Q4.GATE Q5.GATE Q6.GATE R32.1 R33.1 R34.1 R35.1 R36.1 R37.1 R38.2 R39.2 R40.2 R41.1 R42.1 R43.1 R44.2 R45.2 R46.2 R47.2 R48.2 R49.2 | length 68.7
  Top Layer w0.381: R34.1@62.437,-40.159 62.606,-40.159 63.448,-39.318 ; R35.1@65.358,-37.014 R39.2@64.215,-37.014 64.046,-37.014 63.906,-37.154 Q3.GATE@63.906,-38.415 63.797,-38.525 63.797,-38.969 63.448,-39.318 ; R33.1@69.626,-40.261 69.457,-40.261 68.693,-39.497 63.627,-39.497 63.448,-39.318 ; R33.1@69.795,-40.261 71.04,-39.015 71.04,-38.607 Q2.GATE@71.15,-38.498 71.15,-37.156 71.19,-37.116 R36.1@71.277,-37.116 R40.2@72.42,-37.116 72.432,-37.129 78.63,-37.129 R38.2@78.643,-37.141 ; R49.2@70.475,-10.253 70.661,-10.439 R48.2@70.661,-11.79 70.702,-11.83 70.702,-12.109 71.851,-13.259 Q5.GATE@72.151,-13.259 72.187,-13.223 73.516,-13.223 R45.2@73.552,-13.187 R43.1@73.552,-14.838 ; R49.2@70.475,-10.084 72.212,-10.084 73.552,-8.744 R41.1@73.552,-6.329 73.545,-6.321 73.545,-4.812 R44.2@73.537,-4.805 73.509,-4.777 72.179,-4.777 Q6.GATE@72.151,-4.75 ; R47.2@70.661,-20.045 70.661,-20.214 71.741,-21.294 71.741,-21.531 71.851,-21.641 Q4.GATE@72.151,-21.641 73.511,-21.641 73.552,-21.681 R46.2@73.552,-21.696 73.552,-22.924 73.679,-23.051 v2(73.679,-23.22) ; v2(73.66,-26.162) 73.66,-29.21 79.248,-34.798 80.93,-34.798 81.153,-35.021 81.153,-35.774 79.995,-36.932 79.995,-37.101 79.955,-37.141 R37.1@79.786,-37.141 R38.2@78.643,-37.141 ; R32.1@76.992,-40.286 77.161,-40.286 77.201,-40.246 77.201,-40.077 77.343,-39.935 77.343,-38.765 77.566,-38.542 Q1.GATE@78.461,-38.542 78.461,-37.182 78.501,-37.141 R38.2@78.643,-37.141
  Bottom Layer w0.381: v2(73.66,-26.162) 73.669,-26.153 73.669,-23.229 v2(73.679,-23.22)
Vout: C1.1 C2.1 C3.1 L1.1 R1.2 U1.3 U5.3 | length 82.2
  Top Layer w0.2: 54.356,-34.448 54.356,-33.782
  Top Layer w0.381: C1.1@15.215,-28.753 15.215,-32.092 17.047,-33.925 C2.1@17.047,-34.925 16.988,-34.984 16.988,-36.286 v2(16.645,-36.629) 16.302,-36.972 R1.2@15.392,-36.972 ; C3.1@23.901,-30.416 24.276,-30.416 24.769,-29.923 U1.3@24.769,-28.669 24.769,-28.859 25.717,-29.807 25.743,-29.807 26.416,-30.48 26.416,-32.385 23.851,-34.95 L1.1@22.758,-34.95 22.758,-35.75 23.268,-36.26 26.608,-36.26 32.385,-42.037 39.751,-42.037 42.037,-39.751 42.037,-37.973 42.672,-37.338 42.926,-37.338 45.72,-34.544 47.117,-34.544 47.244,-34.671 54.133,-34.671 54.356,-34.448 ; 54.356,-33.782 54.483,-33.655 54.483,-33.243 54.706,-33.02 59.055,-33.02 60.706,-34.671 62.384,-34.671 63.729,-33.326 U5.3@63.729,-32.876
  Top Layer w1: v2(22.758,-37.44) L1.1@22.758,-34.95
  Bottom Layer w1: v2(16.645,-36.629) 17.455,-37.44 v2(22.758,-37.44)
pads on no net: J2. J2.A4_B9 J2.A8 J2.B4_A9 J2.B8 J3.7 J3.8 L1.4 U2.2 U2.3 U2.10 U2.11 U2.12 U2.13 U2.14 U2.15 U2.16 U2.17 U3.1 U3.2 U3.5 U3.6 U3.8 U3.9 U3.12 U3.13 U3.14 U3.15 U3.16 U3.17 U3.18 U3.20 U3.22 U3.25 U3.30 U3.41 U3.45 U3.46 U4.6 U4.10 U6.A2 U6.A3 U6.A5 U6.B1 U6.B5 U6.C1 U6.C3 U6.C5 U6.D1 U6.D5 U6.E1 U6.E2 U6.E3 U6.E4 U6.E5 U7.4 U7.5 U7.6 U7.7 U7.8 U7.9 U7.10 U7.11 U7.12 U7.13 U7.14 U7.16 U7.17 U7.18 U7.19 U7.20 U7.21 U7.22 U7.23 U7.24 U7.26 U7.27 U7.28 U7.29 U7.30 U7.31 U7.32 U7.33 U7.36 U7.37 U8.11 U8.12
copper on no net: | length 17.3
  Top Layer w0.381: 6.477,-45.974 6.731,-45.974 10.414,-42.291 11.059,-41.646 11.059,-37.074
  Top Layer w2: 33.376,-52.832 33.528,-46.497
  other v1: 58.166,-36.195 58.801,-36.195 58.166,-35.433
  other v2: 8.509,-42.799 13.97,-42.799

## Polygon pours and split planes (outlines as drawn)
no net on Bottom Layer "NONET_L04_P001" (solid, pour order 1): 0,0 88.9,0 88.9,-58.42 0,-58.42
no net on Top Layer "NONET_L01_P000" (solid, pour order 0): 0,0 88.9,0 88.9,-58.42 0,-58.42
GND on GND (split plane): 88.39,-57.91 0.51,-57.91 0.51,-0.51 88.39,-0.51
BAT+ on PWR (split plane): 88.39,-57.91 0.51,-57.91 0.51,-0.51 88.39,-0.51

## Keep-outs
Keep-Out Layer:
  lines w0.254: -0.127,-58.42 ccw(c0,-58.42) 0,-58.547 ; -0.127,-58.42 ccw(c0,-58.42) 0,-58.547 ; -0.127,-58.42 -0.127,0 ; -0.127,0 cw(c0,0) 0,0.127 ; -0.127,0 cw(c0,0) 0,0.127 ; 0,-58.547 88.9,-58.547 ; 0,0.127 88.9,0.127 ; 88.9,-58.547 ccw(c88.9,-58.42) 89.027,-58.42 ; 88.9,-58.547 ccw(c88.9,-58.42) 89.027,-58.42 ; 88.9,0.127 cw(c88.9,0) 89.027,0 ; 88.9,0.127 cw(c88.9,0) 89.027,0 ; 89.027,-58.42 89.027,0

## Other copper
Top Layer:
  region net GND: 57.15,-34.29 57.15,-37.338 59.309,-37.338 59.309,-34.29
  region net GND: 54.356,-35.179 54.356,-35.814 46.609,-35.814 46.609,-35.179
  region net GND: 46.228,-34.798 46.228,-36.195 46.99,-36.195 46.99,-34.798
  region net GND: 57.15,-37.338 57.15,-39.116 59.309,-39.116 59.309,-37.338
  region net GND: 41.656,-9.906 41.656,-13.716 45.593,-13.716 45.593,-9.906
  region net GND: 34.925,-18.161 34.925,-19.685 36.449,-19.685 36.449,-18.161
  region net GND: 12.954,-13.843 12.954,-14.351 15.113,-14.351 15.113,-13.843
  region net GND: 36.068,-25.146 36.83,-25.146 36.83,-30.988 36.068,-30.988
  region net NetBATS+1_+: 58.42,-46.482 59.69,-46.482 59.69,-49.911 58.42,-49.911
  region net NetBATS+2_+: 46.355,-46.228 47.879,-46.228 47.879,-49.911 46.355,-49.911
  region net "NetBATS+ LOAD_+": 77.216,-7.62 86.106,-7.62 86.106,-17.907 77.216,-17.907
  region net "NetBATS+ LOAD_+": 72.898,-17.907 86.106,-17.907 86.106,-15.748 72.898,-15.748
  region net "NetBATS+ LOAD_+": 72.898,-15.494 71.501,-15.494 71.501,-17.907 72.898,-17.907
  region net NetC4_1: 52.451,-24.892 52.451,-25.4 58.166,-25.4 58.166,-24.892
  region net NetR13_2: 15.367,-15.24 15.367,-15.748 17.526,-15.748 17.526,-15.24
  region net NetC4_1: 11.938,-15.24 15.113,-15.24 15.113,-15.748 11.938,-15.748

## Silkscreen, mask and mechanical layers (free items; w line width, h text height)
Top Overlay:
  text "ESP32 RESET" at 27.1,-5.5 h0.5 r270
  text "DEBUG (SWD)" at 58.9,-14.8 h0.5 r90
  text "COM" at 49.6,-21.1 h0.7
  text "MCU RESET" at 3.3,-21.2 h0.5 r90
  text "CAN" at 58.7,-21.4 h0.5 r90
  text "PWR" at 26.133,-30.401 h0.7 r270
  text "4S SMART BMS by ISMET AKALIN" at 88.391,-51.768 h0.7 r90

## Text inside footprints (layer, text, board x,y; h text height)
BATS+1: Top Overlay "B +" at 60.4,-48.3 h0.7
BATS+2: Top Overlay "B +" at 48.8,-48.3 h0.7
BATS+3: Top Overlay "B +" at 35.2,-48.2 h0.7
BATS+4: Top Overlay "B +" at 21.7,-48.1 h0.7
"BATS+ LOAD": Top Overlay "B +" at 81.8,-7 h0.7 r90
BATS-1-MAIN: Top Overlay "B -" at 8.5,-48.2 h0.7
"BATS- LOAD": Top Overlay "B -" at 81.5,-21.6 h0.7 r90
J2: Top Designator (Mech5) "PCB EDGE" at 1.805,-14.326 h1 r270
U7: Top Designator (Mech5) "ANTENNA" at 32.141,-16.289 h1.78 r90